# Altium PCB senior_board_rev2.PcbDoc (part 2 of 3)
Units mil, origin at the board's own origin, x right, y up, seen from the top; angles counter-clockwise.
Board outline 5400 x 4100 mil, 4 copper layers (Top Layer, +12V, +1V2, +5V, VOCM, +3V3, -5V, Bottom Layer), stack 30.634 mil thick; 402 components, 226 nets, 1219 pads, 242 vias.
Unrouted connection lines stored in the file: 2.
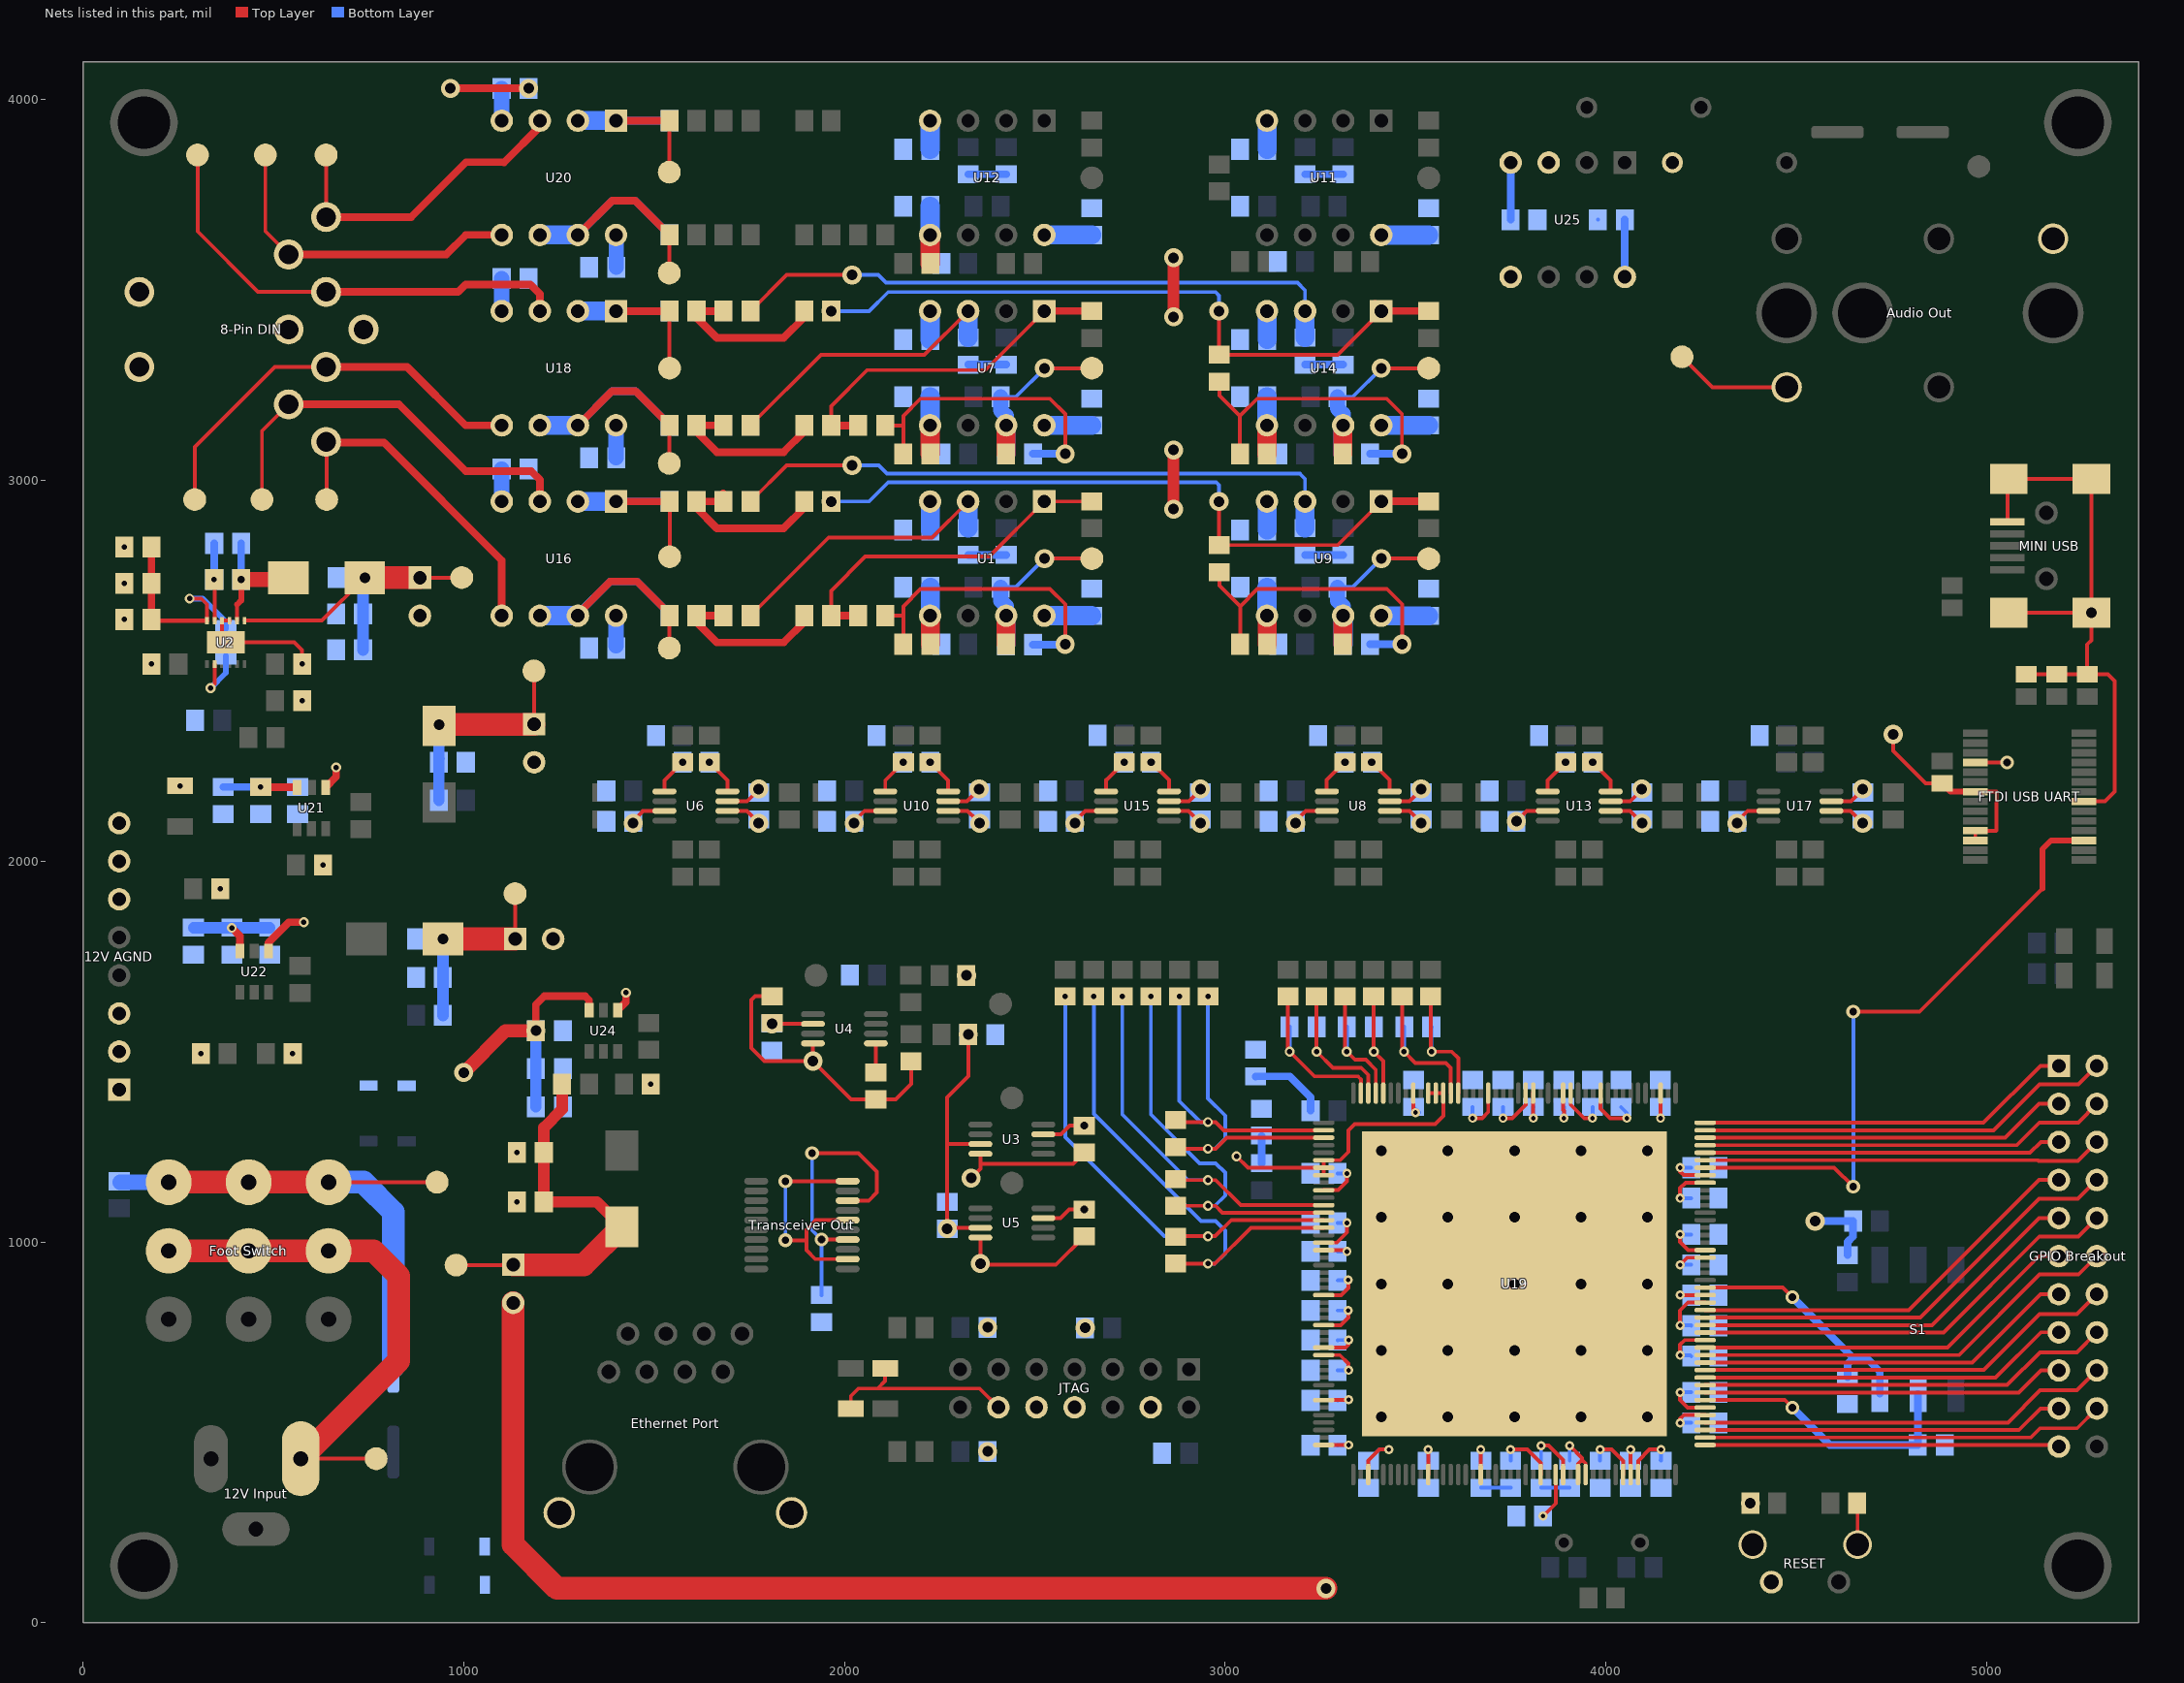
[diagram p4: the nets of this part, all layers, seen from the top]

## Via types
v1: diameter 50, hole 28, Top Layer to Bottom Layer, 120 vias
v2: diameter 26, hole 14, Top Layer to Bottom Layer, 46 vias
v3: diameter 24, hole 12, Top Layer to Bottom Layer, 36 vias
v4: diameter 36, hole 20, Top Layer to Bottom Layer, 27 vias
v5: diameter 40, hole 20, Top Layer to Bottom Layer, 12 vias
v6: diameter 32, hole 18, Top Layer to Bottom Layer, 1 vias

## Nets (pads, with @x,y where several pads share a name; then routed paths per layer and width w, separated by ;. In a path a pad name is that pad's centre, name@x,y a point inside that pad or via, vN(x,y) a via of type N, cw(c..) or ccw(c..) an arc to the next point about the centre after c; other vN are vias at no path point)
+1V2: +1V2J.2 C26.1 C27.1 C28.1 C29.1 C30.1 C31.1 C32.1 C33.1 C34.1 C35.1 U19.16 U19.21 U19.61 U19.76 U19.117 U19.126 U19.137 U19.153 U19.158 U19.169 | length 3956.4
  Top Layer w10: U19.76@3259.02,702.99 3301.57,702.99 3324.22,680.35 v3(3324.22,663) ; U19.61@3259.02,998.27 3293.27,998.27 3320,1025 v3(3320,1050) ; v3(3730,1325) 3754.53,1325 3789.53,1360 U19.21@3789.53,1390.98 ; v3(3830,465) 3849.75,465 3887.95,426.8 U19.117@3887.95,389.02 ; U19.16@3887.95,1390.98 3887.95,1347.05 3890,1345 v3(3890,1325) ; U19.126@4065.12,389.02 v3@4065.12,455 ; v3(4195,525) 4195,535 4205.51,545.51 U19.137@4260.98,545.51 ; v3(4195,860.47) U19.153@4260.98,860.47 ; v3(4195,940) 4213.9,958.9 U19.158@4260.98,958.9 ; v3(4195,1195.12) 4195,1185 4204.57,1175.43 U19.169@4260.98,1175.43
  Top Layer w60: +1V2J.2@1130,840 1130,205 1245,90 v1(3265,90)
  Bottom Layer w10: C34.1@3295.43,663 v3(3324.22,663) ; C35.1@3295.43,1050 v3(3320,1050) ; v3(3730,1325) C30.1@3730,1354.57 ; C33.1@3830,425.43 v3(3830,465) ; v3(3890,1325) C31.1@3890,1354.57 ; C27.1@4065,425.43 4065.12,425.55 4065,425.67 v3(4065,455) ; v3(4195,525) C32.1@4224.57,525 ; v3(4195,860.47) 4224.09,860.47 C29.1@4224.57,860 ; v3(4195,940) C28.1@4224.57,940 ; v3(4195,1195.12) 4224.45,1195.12 C26.1@4224.57,1195
+3V3: "Transceiver Out.4" "Transceiver Out.8" +3V3J.2 C1.1 C2.1 C3.1 C4.1 C5.1 C6.1 C7.1 C8.1 C9.1 C10.1 C11.1 C12.1 C13.1 C14.1 C15.1 C17.1 C18.1 C19.1 C20.1 C21.1 C22.1 C23.1 C24.1 C36.1 C56.1 C62.1 C63.1 C73.1 C76.1 C86.1 C89.1 C98.1 C99.1 C102.1 C103.1 C112.1 C115.1 C125.1 C134.2 R121.2 R122.1 R123.1 R124.1 R129.2 R131.2 R140.2 U6.3 U6.7 U8.3 U8.7 U10.3 U10.7 U13.3 U13.7 U15.3 U15.7 U17.3 U17.7 U19.3 U19.11 U19.15 U19.20 U19.26 U19.36 U19.54 U19.62 U19.68 U19.72 U19.75 U19.82 U19.88 U19.91 U19.99 U19.106 U19.114 U19.116 U19.119 U19.120 U19.125 U19.127 U19.138 U19.147 U19.152 U19.159 U19.168 | length 5280.9
  Top Layer w10: v1@1445,2105 1470.59,2130.59 1470.59,2132.2 U6.3@1527.32,2132.2 ; U6.7@1692.68,2157.8 1744.48,2157.8 v1@1775,2188.31 ; v4(1915,1233.02) 2036.98,1233.02 2085,1185 2085,1129.57 2063.98,1108.54 2008.48,1108.54 ; v4(1940,1006.18) 2008.48,1006.18 ; v1@2025.43,2105 2052.64,2132.2 U10.3@2107.32,2132.2 ; U10.7@2272.68,2157.8 2321.51,2157.8 v1(2353.71,2190) ; v1@2605.43,2105 2632.64,2132.2 U15.3@2687.32,2132.2 ; U15.7@2852.68,2157.8 2904.48,2157.8 v1@2935,2188.31 ; v1@3185,2105 3212.2,2132.2 U8.3@3267.32,2132.2 ; U19.88@3259.02,466.77 v3(3324.22,466.77) ; U19.82@3259.02,584.88 3324.22,584.88 v3(3324.82,585.48) ; U19.75@3259.02,722.68 3316.81,722.68 3324.22,730.08 v3(3324.22,742.36) ; U19.72@3259.02,781.73 3303.55,781.73 3323.43,801.61 v3(3323.43,820) ; U19.68@3259.02,860.47 3304.69,860.47 3323.43,879.21 v3(3323.43,900) ; U19.62@3259.02,978.58 3316.42,978.58 v3(3320,975) ; U19.54@3259.02,1136.06 3297.08,1136.06 3320,1158.99 v3(3320,1180) ; U19.91@3376.14,389.02 3376.14,426.14 3405,455 v3(3430,455) ; U8.7@3432.68,2157.8 3484.48,2157.8 v1@3515,2188.31 ; U19.36@3494.25,1390.98 3494.25,1345.75 v3(3500,1340) ; U19.99@3533.62,389.02 v3(3533.62,455) ; v3(3650,1325) 3675,1325 3691.1,1341.1 U19.26@3691.1,1390.98 ; U19.106@3671.42,389.02 v3(3671.42,455) ; v3(3750,455) 3793.2,455 3828.9,419.3 U19.114@3828.9,389.02 ; v1(3765.43,2105) 3792.64,2132.2 U13.3@3847.32,2132.2 ; v3(3809.21,1325) U19.20@3809.21,1390.98 ; v3(3835,280) 3868.27,313.27 U19.116@3868.27,389.02 ; v3(3905,465) 3937.25,432.75 3937.25,427.75 ; U19.15@3907.64,1390.98 3907.64,1360.72 3943.36,1325 3960,1325 v3@3965,1330 ; U19.119@3927.32,389.02 3927.32,417.81 3937.25,427.75 ; U19.120@3947.01,389.02 3947.01,417.99 3937.25,427.75 ; v3(3985,455) 4015,455 4045.43,424.57 U19.125@4045.43,389.02 ; U19.11@3986.38,1390.98 3986.38,1350 4011.38,1325 v3(4055,1325) ; U13.7@4012.68,2157.8 4064.13,2157.8 v1@4094.65,2188.31 ; U19.127@4084.8,389.02 4084.8,424.8 4115,455 v3(4145,455) ; v3(4143.86,1325) U19.3@4143.86,1390.98 ; v3(4195,605) 4195,584.8 4214.61,565.2 U19.138@4260.98,565.2 ; v3(4195,702.5) 4195,730 4207.36,742.36 U19.147@4260.98,742.36 ; v3(4195,781) 4195,820 4215.79,840.79 U19.152@4260.98,840.79 ; v3(4195,1019.86) 4195,1000 4216.42,978.58 U19.159@4260.98,978.58 ; v3(4195,1115) 4195,1141.28 4209.47,1155.75 U19.168@4260.98,1155.75 ; v1@4345,2104.87 4372.34,2132.2 U17.3@4427.32,2132.2 ; U17.7@4592.68,2157.8 4644.05,2157.8 v1@4674.57,2188.31
  Bottom Layer w10: v4(1915,1233.02) 1915,1031.18 v4(1940,1006.18) C98.1@1940,860.43 ; C18.1@3295.43,466 3296.2,466.77 v3(3324.22,466.77) ; C19.1@3295.43,584 3296.91,585.48 v3(3324.82,585.48) ; C24.1@3295.43,742 3295.8,742.36 v3(3324.22,742.36) ; C134.2@3295.43,820 v3(3323.43,820) ; C21.1@3295.43,899 3296.43,900 v3(3323.43,900) ; C6.1@3295.43,975 v3(3320,975) ; C103.1@3295.43,1180 v3(3320,1180) ; C22.1@3376.14,426.29 3404.85,455 v3(3430,455) ; C13.1@3495,1354.57 3509.57,1340 v3(3500,1340) ; v3(3533.62,455) 3533.62,425.81 C20.1@3534,425.43 ; v3(3650,1325) C2.1@3650,1354.57 ; v3(3671.42,455) 3671.42,426.02 C17.1@3672,425.43 ; C8.1@3750,425.43 v3(3750,455) ; v3(3809.21,1325) 3809.21,1353.78 C1.1@3810,1354.57 ; C15.1@3905,425.43 v3(3905,465) ; v3(3965,1325) C3.1@3965,1354.57 ; C9.1@3985,425.43 v3(3985,455) ; C4.1@4040,1354.57 4055,1339.57 v3(4055,1325) ; C7.1@4143.11,1354.57 4143.86,1353.82 v3(4143.86,1325) ; C36.1@4145,425.43 4143.86,426.57 4145,427.72 v3(4145,455) ; v3(4195,605) C5.1@4224.57,605 ; v3(4195,702.5) 4222.07,702.5 C10.1@4224.57,700 ; v3(4195,781) 4223.57,781 C11.1@4224.57,780 ; v3(4195,1019.86) 4224.43,1019.86 C12.1@4224.57,1020 ; v3(4195,1115) C14.1@4224.57,1115
  Bottom Layer w20: v1(4550,1054.57) 4649.13,1054.57 R121.2@4649.57,1055 4649.57,1014.57 4635,1000 R129.2@4635,965.43
  other v1: 4379.57,314.07 2376,449.75 2632.39,774.29 2376,775.75 1445,2100 2025.43,2100 2605.43,2100 3185,2100 4345,2100 1775,2190 2935,2190 3515,2190 4094.65,2190 4674.57,2190
  other v2: 360.43,1927.84
+5V: +5J.2 C37.1 C38.1 C39.1 C45.1 C58.1 C61.1 C64.1 C65.1 C78.1 C85.1 C91.1 C104.1 C117.1 C152.1 U1.8 U3.7 U4.2 U5.7 U7.8 U9.8 U11.8 U12.8 U14.8 U16.8 U18.8 U20.8 U25.8 | length 1497.7
  Top Layer w10: v1(1809.57,1572.8) U4.2@1917.32,1572.8 ; U4.2@1915.12,1573.57 U4.2@1915.32,1573.36 ; U5.7@2522.68,1062.8 2567.8,1062.8 2590.43,1085.43 v4(2630,1085.43) ; U3.7@2522.68,1282.8 2569.25,1282.8 2591.89,1305.43 v4(2630,1305.43)
  Bottom Layer w10: C61.1@1400,2565.43 C61.1@1400.43,2565 ; C64.1@1400,3060.43 C64.1@1400.43,3060 ; U20.8@1400,3645.28 U20.8@1400.43,3644.84 ; C58.1@2649.13,2645 C58.1@2649.57,2644.57 ; C78.1@2649.57,3145 C78.1@2650,3144.57 ; U9.8@3410,2645 U9.8@3410.43,2644.57 ; U14.8@3410,3145 U14.8@3410.43,3144.57 ; U11.8@3410,3645 U11.8@3410.43,3644.57
  Bottom Layer w20: U25.8@4050,3535 C152.1@4050,3685
  Bottom Layer w40: C61.1@1400,2565.43 U16.8@1400,2645 U16.8@1400,2650 ; C64.1@1400,3060.43 U18.8@1400,3145 ; C85.1@1400.43,3560 U20.8@1400.43,3644.84
  Bottom Layer w50: U1.8@2525,2645 C58.1@2649.13,2645 ; U7.8@2525,3145 C78.1@2649.57,3145 ; U12.8@2525,3645 C104.1@2650,3645 ; U9.8@3410.43,2644.57 C65.1@3535,2644.57 ; U14.8@3410.43,3144.57 C91.1@3535,3144.57 ; U11.8@3410.43,3644.57 C117.1@3535,3644.57
+12V: "8-Pin DIN.10" "12V AGND.1" "12V AGND.2" "12V AGND.3" "Foot Switch.3" C49.1 C111.2 C116.2 C124.1 C124.2 C137.2 C138.2 C139.2 C142.2 C143.2 C146.2 C148.2 C149.2 C164.2 C167.2 C168.2 R127.2 R144.2 R146.2 TP27.TP U2.2 U2.12 U21.3 U22.3 U24.3 | length 3432.3
  Top Layer w10: C146.2@179.57,2635 C146.2@182.48,2632.09 ; v2(280,2690) 310.79,2690 325.79,2675 U2.12@325.79,2632.09 ; v2@335,2455 v2(335.09,2455.09) 345.47,2465.47 U2.2@345.47,2517.91 ; 645,1157 TP27.TP@930,1157
  Top Layer w12: C146.2@182.48,2632.09 U2.12@325.79,2632.09
  Top Layer w20: C146.2@179.57,2635 C168.2@179.57,2730 C167.2@179.57,2825.63 ; v2(390.79,1825) 412.17,1803.62 U22.3@412.17,1764.13 ; v2(466.73,2195) 465.87,2194.13 U21.3@562.6,2194.13 ; v1(1189.57,1555) 1189.47,1555.09 1189.47,1623.61 1211.3,1645.43 1319.13,1645.43 1329.48,1635.09 U24.3@1329.48,1608.82
  Top Layer w35: v1(1000,1445) 1110,1555 v1(1189.57,1555)
  Top Layer w60: 225,1157 435,1157 645,1157
  Bottom Layer w10: C138.2@95,1159.43 C138.2@97.43,1157 ; C111.2@290,1825.43 C111.2@290.43,1825 ; C139.2@490.35,1825 C139.2@490.79,1825.43
  Bottom Layer w15: v2(280,2690) 314.09,2690 375,2629.09 C124.2@375,2610.43 ; v2(335.09,2455.09) 375,2495 C124.1@375,2539.57
  Bottom Layer w20: C116.2@368.43,2195 v2(466.73,2195) C142.2@563.43,2195
  Bottom Layer w30: C111.2@290.43,1825 v2(390.79,1825) C139.2@490.35,1825 ; C148.2@1189.57,1355 C137.2@1189.57,1455 v1(1189.57,1555)
  Bottom Layer w40: C138.2@97.43,1157 225,1157
  Bottom Layer w60: 645.43,1157.43 645,1157 736.68,1157 815,1078.68 C49.1@815,672.76
  other v2: 550.87,1495
-5V: -5VJ.2 C60.1 C71.1 C72.1 C77.1 C84.1 C90.1 C97.1 C110.1 C123.1 C156.1 U1.4 U7.4 U9.4 U11.4 U12.4 U14.4 U16.4 U18.4 U20.4 U25.4 | length 852.1
  Bottom Layer w10: U16.4@1099.57,2950.43 U16.4@1100,2950 ; U18.4@1099.57,3445.43 U18.4@1100,3445 ; U1.4@2225,2945 U1.4@2225.43,2944.57 ; U9.4@3110,2945 U9.4@3110.43,2944.57 ; U14.4@3110,3445 U14.4@3110.43,3444.57 ; U11.4@3110,3945 U11.4@3110.43,3944.57 ; C156.1@3749.57,3685 C156.1@3750,3685.43
  Bottom Layer w20: C156.1@3750,3685.43 U25.4@3750,3835
  Bottom Layer w40: U16.4@1099.57,2950.43 C72.1@1099.57,3030 ; U18.4@1099.57,3445.43 C77.1@1099.57,3530.28 ; U20.4@1099.57,3945 U20.4@1099.57,3945.71 ; C90.1@1099.57,4030 U20.4@1099.57,3945.71 ; U20.4@1100,3945.28 U20.4@1099.57,3945.71
  Bottom Layer w50: C84.1@2225,3370 U7.4@2225,3445 ; C110.1@2225,3870 U12.4@2225,3945 ; C60.1@2225.43,2870 U1.4@2225.43,2944.57 ; C71.1@3110.43,2870 U9.4@3110.43,2944.57 ; C97.1@3110.43,3370 U14.4@3110.43,3444.57 ; C123.1@3110.43,3870 U11.4@3110.43,3944.57
AGND: "8-Pin DIN.1" "8-Pin DIN.2" "8-Pin DIN.4" "12V AGND.6" "12V AGND.7" "12V AGND.8" "Audio Out.S" "FTDI USB UART.21" "FTDI USB UART.25" "FTDI USB UART.26" C37.2 C38.2 C39.2 C40.2 C41.2 C42.2 C43.2 C44.2 C45.2 C46.2 C52.2 C53.2 C56.2 C58.2 C59.2 C60.2 C61.2 C62.2 C63.2 C64.2 C65.2 C69.2 C70.2 C71.2 C72.2 C73.2 C76.2 C77.2 C78.2 C82.2 C83.2 C84.2 C85.2 C86.2 C89.2 C90.2 C91.2 C95.2 C96.2 C97.2 C99.2 C102.2 C104.2 C108.2 C109.2 C110.2 C111.1 C112.2 C115.2 C116.1 C117.2 C121.2 C122.2 C123.2 C125.2 C128.2 C129.2 C130.2 C131.2 C132.2 C133.2 C137.1 C139.1 C142.1 C143.1 C145.1 C146.1 C148.1 C149.1 C152.2 C156.2 C159.1 C160.1 C162.1 C163.1 C164.1 C165.1 C166.1 C167.1 C168.1 C169.1 C170.1 C171.1 C172.1 CU4.2 D1.1 D3.2 D_Power.2 R3.2 R4.1 R9.1 R11.1 R13.1 R15.1 R29.1 R30.1 R32.1 R34.1 R48.1 R50.1 R52.1 R66.1 R68.1 R70.1 R84.1 R86.1 R88.1 R102.1 R104.1 R106.1 R126.1 R136.1 R145.1 U2.9 U2.10 U2.13 U3.4 U4.4 U5.4 U6.6 U8.6 U10.6 U13.6 U15.6 U17.6 U19.32 U19.33 U19.34 U19.50 U19.51 U19.52 U21.1 U22.1 U24.1 U25.3 U25.5 | length 5098.2
  Top Layer w10: U2.9@384.84,2632.09 U2.10@365.16,2632.09 365.16,2584.84 U2.13@375,2575 555,2575 575.53,2554.47 v2(575.53,2518.01) ; U6.6@1692.68,2132.2 1743.81,2132.2 v1@1775,2101.02 ; C39.2@1810,1645.43 1765.43,1645.43 1755,1635 1755,1510 1790,1475 v1(1917.32,1475) ; U4.4@1917.32,1521.61 v1(1917.32,1475) ; C40.2@2175,1474.57 2175,1415 2134.57,1374.57 C43.2@2082.68,1374.57 2017.76,1374.57 v1(1917.32,1475) ; U10.6@2272.68,2132.2 2323.49,2132.2 2345.56,2110.13 v1@2355.43,2110.13 ; v1(2333,1168) 2357.32,1192.32 2357.32,1205 ; U5.4@2357.32,1011.61 v1(2357.32,943.15) 2360.47,940 2555.43,940 C45.2@2630,1014.57 ; U3.4@2357.32,1231.61 2357.32,1205 ; C37.2@2630,1234.57 2600.43,1205 2357.32,1205 ; U15.6@2852.68,2132.2 2903.81,2132.2 v1@2935,2101.02 ; v2(3030,1225) 3059.88,1195.12 U19.51@3259.02,1195.12 ; U19.52@3259.02,1175.43 U19.51@3259.02,1195.12 ; U8.6@3432.68,2132.2 3483.81,2132.2 v1@3515,2101.02 ; U19.34@3533.62,1390.98 U19.33@3553.31,1390.98 U19.32@3572.99,1390.98 3572.99,1331.38 3551.61,1310 3340,1310 3323.43,1293.43 3323.43,1236.39 3301.83,1214.8 U19.50@3259.02,1214.8 U19.51@3259.02,1195.12 ; U13.6@4012.68,2132.2 4063.81,2132.2 v1@4095,2101.02 ; U17.6@4592.68,2132.2 4643.38,2132.2 v1@4674.57,2101.02 ; v1(4755,2333.3) 4755,2290 4840.71,2204.29 CU4.2@4883.35,2204.29 ; 4970.63,2054.68 4970.63,2080.28 5025.28,2080.28 5025.91,2080.91 5025.91,2182.64 4970.63,2182.64
  Top Layer w15: CU4.2@4883.35,2204.29 4905,2182.64 4970.63,2182.64
  Top Layer w20: U22.1@486.97,1764.13 486.97,1786.1 540.87,1840 v2(580,1840) ; U21.1@637.4,2194.13 665,2221.73 v2(665,2246.61) ; v1(965,4030) v1(1170.43,4030) ; U24.1@1404.28,1608.82 1426.09,1630.63 1426.09,1654.91 v2(1426,1655)
  Top Layer w30: v1(2864.57,2925) v1(2864.57,3080) ; v1(2864.57,3430) v1(2864.57,3585)
  Bottom Layer w20: C53.2@2325,2804.57 R11.1@2425,2804.57 ; C83.2@2325,3304.57 R50.1@2425,3304.57 ; C109.2@2325,3804.57 R86.1@2425,3804.57 ; C70.2@3210,2804.57 R32.1@3310,2804.57 ; C96.2@3210,3304.57 R68.1@3310,3304.57 ; C122.2@3210,3804.57 R104.1@3310,3804.57
  other v1: 2320.43,1700 1775,2100 2355.43,2100 2935,2100 3515,2100 4095,2100 4674.57,2100
  other v2: 1139.47,1105.09 1139.47,1235.09 1491.34,1415.09 309.13,1495 630.43,1990 255,2198.15 575.53,2421.67 179.57,2517.91 108.7,2635 108.7,2730 108.7,2825.63
AIN1: C150.1 R21.1 TP14.TP U16.6 U16.7 | length 809.6
  Top Layer w10: TP14.TP@1540,2560 1540.57,2560.57 R21.1@1540.57,2645
  Top Layer w20: U16.7@1300,2650 1385,2735 1455.13,2735 R21.1@1540.57,2649.57
  Bottom Layer w20: U16.7@1295,2645 1385,2735 1455.13,2735 C150.1@1540.57,2649.57
  Bottom Layer w50: U16.6@1200,2645 U16.7@1295,2645
AIN1_Pre: "8-Pin DIN.9" TP7.TP U16.5 | length 885.6
  Top Layer w10: 638.43,3101.57 640,3100 TP7.TP@640,2950
  Top Layer w20: 640,3100 790,3100 1100,2790 U16.5@1100,2645
AIN1N: C51.2 R24.2 U19.59 | length 1326.2
  Top Layer w10: C51.2@2870,943.15 2871.85,945 2873.7,943.15 v2(2955,943.15) 2973.15,943.15 3067.64,1037.64 U19.59@3259.02,1037.64
  Bottom Layer w10: v2(2655,1645) 2655,1336.61 2936.61,1055 2975,1055 3000,1030 3000,970 2973.15,943.15 v2(2955,943.15)
AIN1P: C51.1 R17.2 U19.58 | length 1260.5
  Top Layer w10: C51.1@2870,1014.02 2871.98,1016 2872.98,1015 v2(2955,1015) 2974,1015 3016.32,1057.32 U19.58@3259.02,1057.32
  Bottom Layer w10: v2(2580,1645) 2580,1275 2840,1015 v2(2955,1015)
AIN2: C151.1 R41.1 TP41.TP U16.1 U16.2 | length 533.7
  Top Layer w10: R41.1@1536.02,2945 1541.02,2950 TP41.TP@1541.02,2800
  Top Layer w20: U16.1@1400,2945 R41.1@1536.02,2945
  Bottom Layer w20: U16.1@1400,2945 C151.1@1540.57,2945
  Bottom Layer w50: U16.2@1300,2945 U16.1@1400,2945
AIN2_Pre: "8-Pin DIN.5" TP6.TP U16.3 | length 1098
  Top Layer w10: TP6.TP@470,2930 470,3130 540,3200
  Top Layer w20: 540,3200 830,3200 1005,3025 1177,3025 1200,3002 U16.3@1200,2945
AIN2N: C68.2 R44.2 U19.42 | length 419.3
  Top Layer w10: R44.2@3240.43,1644.13 R44.2@3240,1644.57 3240,1500.43 v2(3240.43,1500) 3283.11,1457.32 3357.68,1457.32 3376.14,1438.86 U19.42@3376.14,1390.98
  Bottom Layer w10: v2(3240.43,1500) C68.2@3240.43,1565
AIN2P: C68.1 R37.2 U19.43 | length 471.2
  Top Layer w10: R37.2@3169.57,1640 R37.2@3165,1644.57 3165,1504.57 v2(3169.57,1500) 3234.57,1435 3348.78,1435 3356.46,1427.32 U19.43@3356.46,1390.98
  Bottom Layer w10: v2(3169.57,1500) C68.1@3169.57,1565
AIN3: C153.1 R59.1 TP9.TP U18.6 U18.7 | length 830.6
  Top Layer w10: TP9.TP@1540,3045 1540,3144.87 R59.1@1540.57,3145.43
  Top Layer w20: U18.7@1300,3145 1390,3235 1451,3235 R59.1@1540.57,3145.43
  Bottom Layer w20: U18.7@1300,3145 1390,3235 1451,3235 C153.1@1540.57,3145.43
  Bottom Layer w50: U18.6@1200,3145 U18.7@1300,3145
AIN3_Pre: "8-Pin DIN.8" TP5.TP U18.5 | length 1115.1
  Top Layer w10: TP5.TP@293.46,2930 293.46,3087.74 504.15,3298.43 638.43,3298.43
  Top Layer w20: 638.43,3298.43 851.57,3298.43 1005,3145 U18.5@1100,3145
AIN3N: C81.2 R62.2 U19.57 | length 1081.2
  Top Layer w10: C81.2@2870,1094.57 2870.43,1095 v2(2955,1095) 2975,1095 2992.99,1077.01 U19.57@3259.02,1077.01
  Bottom Layer w10: v2(2805,1645) 2805,1335 2933.15,1206.85 2975,1206.85 3000,1181.85 3000,1121.85 2973.15,1095 v2(2955,1095)
AIN3P: C81.1 R55.2 U19.56 | length 1024.2
  Top Layer w10: C81.1@2870,1165.43 2872.87,1162.57 v2(2955,1162.57) 2975,1162.57 3040.87,1096.69 U19.56@3259.02,1096.69
  Bottom Layer w10: v2(2730,1645) 2730,1334.57 2902,1162.57 v2(2955,1162.57)
AIN4: C155.1 R77.1 TP8.TP U18.1 U18.2 | length 531.1
  Top Layer w10: TP8.TP@1540.57,3295 R77.1@1540.57,3445
  Top Layer w20: U18.1@1400,3445 R77.1@1540.57,3445
  Bottom Layer w20: U18.1@1400,3445 C155.1@1540.57,3445
  Bottom Layer w50: U18.2@1300,3445 U18.1@1400,3445
AIN4_Pre: "8-Pin DIN.7" TP4.TP U18.3 | length 1245.3
  Top Layer w10: TP4.TP@300.87,3855 300.87,3654.13 459.72,3495.28 638.43,3495.28
  Top Layer w20: 638.43,3495.28 985.28,3495.28 1005,3515 1175,3515 1200,3490 U18.3@1200,3445 U18.3@1184,3445
AIN4N: C94.2 R80.2 U19.40 | length 329.1
  Top Layer w10: R80.2@3390,1644.57 3390,1500.43 v2(3390.43,1500) 3415.51,1474.92 U19.40@3415.51,1390.98
  Bottom Layer w10: v2(3390.43,1500) C94.2@3390.43,1565
AIN4P: C94.1 R73.2 U19.41 | length 368.8
  Top Layer w10: R73.2@3315,1644.57 3315,1504.57 v2(3319.57,1500) 3341.13,1478.43 3369.66,1478.43 3395.83,1452.27 U19.41@3395.83,1390.98
  Bottom Layer w10: v2(3319.57,1500) C94.1@3319.57,1565
AIN5: C157.1 R95.1 TP18.TP U20.6 U20.7 | length 830.2
  Top Layer w10: TP18.TP@1540,3545 1540,3644.28 R95.1@1540.57,3644.84
  Top Layer w20: U20.7@1300,3645.28 1389.72,3735 1450.41,3735 R95.1@1540.57,3644.84
  Bottom Layer w20: U20.7@1300,3645.28 1389.72,3735 1450.41,3735 C157.1@1540.57,3644.84
  Bottom Layer w50: U20.6@1200,3645.28 U20.7@1300,3645.28
AIN5_Pre: "8-Pin DIN.3" TP3.TP U20.5 | length 885.9
  Top Layer w10: TP3.TP@479,3855 479,3654.7 540,3593.7
  Top Layer w20: 540,3593.7 954.13,3593.7 1005.71,3645.28 ; 1005.71,3645 1100,3645.28 U20.5@1087.28,3658
AIN5N: C107.2 R98.2 U19.47 | length 850.8
  Top Layer w10: C107.2@2870,1249.57 2874.57,1245 v2(2955,1245) 2975,1245 3003.86,1273.86 U19.47@3259.02,1273.86
  Bottom Layer w10: v2(2955,1245) 2973.15,1245 3000,1271.85 3000,1331.85 2955,1376.85 v2(2955,1645)
AIN5P: C107.1 R91.2 U19.46 | length 772.9
  Top Layer w10: C107.1@2870,1320.43 2875.43,1315 v2(2955,1315) 2975,1315 2996.46,1293.54 U19.46@3259.02,1293.54
  Bottom Layer w10: v2(2880,1645) 2880,1370 2935,1315 v2(2955,1315)
AIN6: C158.1 R113.1 TP17.TP U20.1 U20.2 | length 510.5
  Top Layer w10: R113.1@1530.67,3945.28 1540,3935.95 TP17.TP@1540,3810
  Top Layer w20: U20.1@1400,3945.28 R113.1@1530.67,3945.28
  Bottom Layer w10: C158.1@1540.29,3945.28 C158.1@1540.57,3945
  Bottom Layer w20: U20.1@1400,3945 C158.1@1540.29,3945.28
  Bottom Layer w50: U20.2@1300,3945 U20.1@1400,3945.28
AIN6_Pre: "8-Pin DIN.6" TP2.TP U20.3 | length 838.5
  Top Layer w10: 638.43,3692.13 TP2.TP@638.43,3855
  Top Layer w20: 638.43,3692.13 862.13,3692.13 1006.29,3836.29 1106.29,3836.29 ; 1106.29,3836 1200,3930 U20.3@1200,3945 U20.3@1200,3945.28
AIN6N: C120.2 R116.2 U19.30 | length 385.2
  Top Layer w10: R116.2@3542.76,1641.81 R116.2@3540,1644.57 3540,1502.76 v2(3542.76,1500) 3595,1500 3612.36,1482.64 U19.30@3612.36,1390.98
  Bottom Layer w10: v2(3542.76,1500) 3541.57,1501.19 C120.2@3541.57,1565 C120.2@3542.76,1563.81
AIN6P: C120.1 R109.2 U19.31 | length 426.7
  Top Layer w10: R109.2@3470,1639.57 R109.2@3465,1644.57 3465,1505 v2(3470,1500) 3500,1470 3580,1470 3592.68,1457.32 U19.31@3592.68,1390.98
  Bottom Layer w10: v2(3470,1500) 3470.7,1500.7 C120.1@3470.7,1565 C120.1@3470,1564.3
CTS: "FTDI USB UART.3" U19.170 | length 1723.9
  Top Layer w10: U19.170@4260.98,1195.12 4599.88,1195.12 v4(4650,1145) ; v4(4650,1605) 4824.23,1605 5147.07,1927.84 ; 5256.06,2054.68 5256.65,2055.28
  Top Layer w15: 5147.07,1927.84 5147.07,2031.84 5169.91,2054.68 5256.06,2054.68
  Bottom Layer w10: v4(4650,1145) v4(4650,1605)
DGND: "Ethernet Port.SGND" "FTDI USB UART.7" "FTDI USB UART.18" "MINI USB.5" "Transceiver Out.2" "Transceiver Out.6" "Transceiver Out.10" C1.2 C2.2 C3.2 C4.2 C5.2 C6.2 C7.2 C8.2 C9.2 C10.2 C11.2 C12.2 C13.2 C14.2 C15.2 C17.2 C18.2 C19.2 C20.2 C21.2 C22.2 C23.2 C24.2 C26.2 C27.2 C28.2 C29.2 C30.2 C31.2 C32.2 C33.2 C34.2 C35.2 C36.2 C57.1 C98.2 C103.2 C134.1 CU1.2 CU2.2 CU3.2 D2.2 D4.1 D_TCK.2 D_TDO.2 JTAG.4 JTAG.8 JTAG.10 JTAG.12 R130.1 R147.1 R148.1 RESET.1 RESET.3 RESET.4 U19.177 | length 3211.8
  Top Layer w10: v4(1845,1159.72) 1845.16,1159.57 2008.32,1159.57 2008.48,1159.72 ; v4@1845.16,1004.57 1900,1004.57 ; 2008.48,955 1923.57,955 1900,978.57 1900,1004.57 ; 2008.48,1057.36 1924.8,1057.36 1900,1032.56 1900,1004.57 ; D_TDO.2@2027,561.85 2017,571.85 2017,595 2037,615 2087,615 ; D_TCK.2@2107,668.15 2107,635 2087,615 ; JTAG.12@2404.57,565.75 2355.31,615 2087,615 ; C57.1@4660.43,314.07 4661.38,313.12 RESET.4@4661.38,205.01 ; 4970.63,2259.41 v4(5053.94,2259.41) ; 5055,2891.5 5055,2999.76 5058.94,3003.7 5275.47,3003.7 v1(5275.47,2653.31) ; 5058.94,2653.31 v1(5275.47,2653.31) ; CU1.2@5104.15,2491.17 CU2.2@5184.43,2491.17 CU3.2@5264.43,2491.17 ; 5256.06,2157.05 5311.38,2157.05 5337.07,2182.73 5337.07,2473.26 5319.15,2491.17 CU3.2@5264.43,2491.17 ; CU3.2@5264.43,2491.17 5264.43,2569.43 5275.47,2580.47 v1(5275.47,2653.31)
  Bottom Layer w10: v4(1845,1004.57) v4(1845,1159.72) ; C17.2@3672,354.57 C8.2@3750,354.57 ; C33.2@3830,354.57 C15.2@3905,354.57
  other v1: 3410,540 3585,540 3760,540 3935,540 4110,540 3410,715 3585,715 3760,715 3935,715 4110,715 3410,890 3585,890 3760,890 3935,890 4110,890 3410,1065 3585,1065 3760,1065 3935,1065 4110,1065 3410,1240 3585,1240 3760,1240 3935,1240 4110,1240
GPIO68: "GPIO Breakout.21" U19.133 | length 930.7
  Top Layer w10: U19.133@4260.98,466.77 5185.93,466.77 5190,462.7
GPIO69: "GPIO Breakout.20" U19.134 | length 1060.6
  Top Layer w10: U19.134@4260.98,486.46 5116.46,486.46 5140.7,510.7 5238,510.7 5290,562.7
GPIO70: "GPIO Breakout.19" U19.135 | length 952.4
  Top Layer w10: U19.135@4260.98,506.14 5085.31,506.14 5141.87,562.7 5190,562.7
GPIO71: "GPIO Breakout.18" U19.136 | length 1085.7
  Top Layer w10: U19.136@4260.98,525.83 5056.14,525.83 5140.51,610.2 5237.5,610.2 5290,662.7
GPIO72: R147.2 S1.5 U19.139 | length 741.9
  Top Layer w10: U19.139@4260.98,584.88 4470.31,584.88 v4(4490,565.2)
  Bottom Layer w10: S1.5@4819.57,600.59 S1.5@4820,601.02
  Bottom Layer w20: v4(4490,565.2) 4588.43,466.77 R147.2@4819.57,466.77 S1.5@4819.57,600.59
GPIO73: "GPIO Breakout.17" U19.140 | length 953.1
  Top Layer w10: U19.140@4260.98,604.57 5084.57,604.57 5142.7,662.7 5190,662.7
GPIO74: "GPIO Breakout.16" U19.141 | length 1086.4
  Top Layer w10: U19.141@4260.98,624.25 5054.25,624.25 5140.2,710.2 5237.5,710.2 5290,762.7
GPIO75: "GPIO Breakout.15" U19.142 | length 978.2
  Top Layer w10: U19.142@4260.98,643.94 5023.94,643.94 5142.7,762.7 5190,762.7
GPIO76: "GPIO Breakout.14" U19.143 | length 1111.5
  Top Layer w10: U19.143@4260.98,663.62 4993.19,663.62 5139.77,810.2 5237.5,810.2 5290,862.7
GPIO77: "GPIO Breakout.13" U19.144 | length 1003.3
  Top Layer w10: U19.144@4260.98,683.31 4962.87,683.31 5142.26,862.7 5190,862.7
GPIO78: "GPIO Breakout.12" U19.145 | length 1139.6
  Top Layer w10: U19.145@4260.98,702.99 4927.99,702.99 5139.7,914.7 5242,914.7 5290,962.7 ; 5283.07,962.7 5286.07,962.7
GPIO79: "GPIO Breakout.11" U19.146 | length 1028.4
  Top Layer w10: U19.146@4260.98,722.68 4897.99,722.68 5138.01,962.7 5190,962.7
GPIO80: "GPIO Breakout.10" U19.148 | length 1153.5
  Top Layer w10: U19.148@4260.98,762.05 4887.05,762.05 5138.7,1013.7 5241,1013.7 5290,1062.7
GPIO81: "GPIO Breakout.9" U19.149 | length 1045.4
  Top Layer w10: U19.149@4260.98,781.73 4856.73,781.73 5137.7,1062.7 5190,1062.7
GPIO82: "GPIO Breakout.8" U19.150 | length 1178.7
  Top Layer w10: U19.150@4260.98,801.42 4826.42,801.42 5138.2,1113.2 5240.51,1113.2 5290,1162.7
GPIO83: "GPIO Breakout.7" U19.151 | length 1070.5
  Top Layer w10: U19.151@4260.98,821.1 4796.1,821.1 5137.7,1162.7 5190,1162.7
GPIO84: R130.2 S1.6 U19.154 | length 665
  Top Layer w10: U19.154@4260.98,880.16 4464.84,880.16 v4(4490,855)
  Bottom Layer w20: v4(4490,855) 4650,695 ; R130.2@4635,645.43 4635,680 4650,695 ; S1.6@4720,601.02 4720,660 4685,695 4650,695
GPIO89: "GPIO Breakout.6" U19.171 | length 1050.6
  Top Layer w10: U19.171@4260.98,1214.8 5135.2,1214.8 5137.3,1212.7 5240,1212.7 5290,1262.7
GPIO90: "GPIO Breakout.5" U19.172 | length 940.7
  Top Layer w10: U19.172@4260.98,1234.49 5114.49,1234.49 5142.7,1262.7 5190,1262.7
GPIO91: "GPIO Breakout.4" U19.173 | length 1074
  Top Layer w10: U19.173@4260.98,1254.17 5079.17,1254.17 5138.7,1313.7 5241,1313.7 5290,1362.7
GPIO92: "GPIO Breakout.3" U19.174 | length 965.8
  Top Layer w10: U19.174@4260.98,1273.86 5048.86,1273.86 5137.7,1362.7 5190,1362.7
GPIO93: "GPIO Breakout.2" U19.175 | length 1099.1
  Top Layer w10: U19.175@4260.98,1293.54 5018.86,1293.54 5139.01,1413.7 5241,1413.7 5290,1462.7
GPIO94: "GPIO Breakout.1" U19.176 | length 990.9
  Top Layer w10: U19.176@4260.98,1313.23 4992.24,1313.23 5141.71,1462.7 5190,1462.7
"Net12V Input_1": "12V Input.1" "Foot Switch.1" TP26.TP | length 1416.2
  Top Layer w10: 572.22,430.79 TP26.TP@770,430.79
  Top Layer w60: 225,977 435,977 645,977 763,977 829.57,910.43 829.57,688.13 572.22,430.79
Net+1V2J_1: +1V2J.1 C165.2 C166.2 L6.2 R8.2 TP34.TP | length 1038.2
  Top Layer w10: TP34.TP@980,939.21 1129.21,939.21 +1V2J.1@1130,940
  Top Layer w30: R8.2@1258.57,1415 1258.57,1348.57 1210.43,1300.43 C165.2@1210.43,1235 C166.2@1210.43,1105 1349.61,1105 L6.2@1415,1039.61
  Top Layer w60: +1V2J.1@1130,940 1315.39,940 L6.2@1415,1039.61
Net+3V3J_1: +3V3J.1 C159.2 C160.2 L7.2 R125.2 TP28.TP | length 509.6
  Top Layer w10: +3V3J.1@1135,1796 TP28.TP@1135,1915
  Top Layer w60: v1(945.39,1796) +3V3J.1@1135,1796
  Bottom Layer w10: v1(945.39,1796) v1(945.39,1796)
  Bottom Layer w30: R125.2@945.43,1595 C159.2@945.43,1695 v1(945.39,1796)
Net+5J_1: +5J.1 C162.2 C163.2 L1.2 R128.2 TP1.TP | length 592.7
  Top Layer w10: +5J.1@1184.33,2359.33 +5J.1@1185,2360 1185,2499.33 TP1.TP@1184.33,2500 ; +5J.1@1203.97,2359.33 +5J.1@1205,2358.3
  Top Layer w60: v1(935,2359.33) +5J.1@1184.33,2359.33
  Bottom Layer w10: C162.2@944.57,2269.04 945.43,2269.91 C162.2@945,2270.34
  Bottom Layer w30: R128.2@934.57,2160 C162.2@934.57,2259.91 ; C162.2@935,2260.34 v1(935,2359.33)
Net-5VJ_1: -5VJ.1 C169.2 C170.2 C171.2 L4.2 TP33.TP U2.7 | length 809.4
  Top Layer w10: U2.7@424.21,2632.09 627.09,2632.09 v1(740,2745) ; -5VJ.1@885,2745 TP33.TP@995,2745
  Top Layer w60: v1(740,2745) -5VJ.1@885,2745
  Bottom Layer w10: C171.2@735.43,2740.43 v1(740,2745)
  Bottom Layer w30: C169.2@735.43,2555 C170.2@735.43,2650 C171.2@735.43,2740.43
"NetAudio Out_TB": "Audio Out.TB" TP40.TP | length 308.1
  Top Layer w10: TP40.TP@4200,3325 4280,3245 4475,3245
NetC25_1: C25.1 C47.1 C48.1 L4.1 U2.8 | length 333.3
  Top Layer w10: U2.8@404.53,2632.09 404.53,2674.09 ; L4.1@534.31,2740.09 L4.1@539.21,2745
  Top Layer w15: 404.53,2674.09 415.43,2685 C25.1@415.43,2740
  Top Layer w40: v6(415.34,2740.09) L4.1@534.31,2740.09
  Bottom Layer w20: C47.1@415.43,2740 C48.1@415.43,2835
NetC25_2: C25.2 C47.2 C48.2 U2.11 | length 203.3
  Top Layer w10: C25.2@344.57,2740 345.47,2739.09 U2.11@345.47,2632.09
  Bottom Layer w20: C47.2@344.57,2740 C48.2@344.57,2835
  other v2: 344.47,2740.09
NetC41_1: C41.1 C42.1 R5.1 U3.3 U5.3 | length 710
  Top Layer w10: R5.1@2325,1544.57 v1(2325.43,1545) 2325.43,1435.43 2270,1380 2270,1255 ; U5.3@2357.32,1037.2 2272.2,1037.2 v1(2270,1035) 2270,1255 ; U3.3@2357.32,1257.2 2272.2,1257.2 2270,1255
NetC43_1: C43.1 U4.5 | length 76.2
  Top Layer w10: C43.1@2082.68,1445.43 U4.5@2082.68,1521.61
NetC44_1: C44.1 R6.2 | length 203.4
  Bottom Layer w10: R6.2@3224.13,1344.57 R6.2@3224.57,1345
  Bottom Layer w20: C44.1@3080,1434.57 3080.43,1435 3170,1435 3224.57,1380.43 R6.2@3224.57,1345
NetC46_1: C46.1 R7.2 | length 72.6
  Bottom Layer w10: C46.1@3095,1279.13 C46.1@3095.87,1278.27
  Bottom Layer w20: R7.2@3095.87,1206.85 C46.1@3095.87,1278.27
NetC50_1: C50.1 R16.2 U6.1 | length 96.4
  Top Layer w10: U6.1@1527.32,2183.39 1527.32,2212.32 v5(1575,2260)
NetC50_2: C50.2 R26.2 U6.8 | length 96.4
  Top Layer w10: v5(1645,2260) 1692.68,2212.32 U6.8@1692.68,2183.39
NetC52_1: C52.1 R20.2 U1.5 | length 150.4
  Top Layer w10: U1.5@2225,2645 U1.5@2225.43,2644.57
  Top Layer w50: R20.2@2225.43,2570 U1.5@2225.43,2644.57
  Bottom Layer w10: U1.5@2225,2645 U1.5@2225.43,2645.43
  Bottom Layer w50: U1.5@2225.43,2645.43 C52.1@2225.43,2720
NetC53_1: C53.1 R22.2 U1.3 | length 765.4
  Top Layer w10: R22.2@1753.43,2645 1958.43,2850 2230,2850 U1.3@2325,2945
  Bottom Layer w50: C53.1@2325,2875.43 U1.3@2325,2945
NetC54_1: C54.1 R21.2 R22.1 | length 433.6
  Top Layer w20: R21.2@1611.43,2644.56 1611.43,2628.13 1665,2574.56 1840.32,2574.56 1894.57,2628.8 C54.1@1894.57,2645 ; R21.2@1611.43,2650 1616.43,2645 R22.1@1682.57,2645
NetC54_2: C54.2 R12.2 R19.1 U1.1 | length 918.5
  Top Layer w10: C54.2@1965.43,2645 1965.43,2710.43 2055,2800 2380,2800 U1.1@2525,2945 2649.57,2945 R12.2@2650,2945.43
  Top Layer w20: C54.2@1965.43,2645 R19.1@2036.57,2645
NetC55_1: C55.1 R19.2 R20.1 | length 797.6
  Top Layer w10: R19.2@2107.43,2645 2154.57,2645 ; R20.1@2154.57,2570 2154.57,2645 ; v1(2580,2570) 2580,2675 2540,2715 2200,2715 2154.57,2669.57 2154.57,2645
  Bottom Layer w10: v1@2578.84,2568.84 v1(2580,2570)
  Bottom Layer w20: C55.1@2495.43,2568.84 v1@2578.84,2568.84
NetC55_2: C55.2 R14.2 R25.1 TP35.TP U1.7 | length 503.2
  Top Layer w10: U1.7@2424.57,2644.57 U1.7@2425,2645 ; v1(2525.68,2795) TP35.TP@2650,2795
  Top Layer w50: R25.1@2424.57,2570 U1.7@2424.57,2644.57
  Bottom Layer w10: R14.2@2410.43,2720 2450.68,2720 v1(2525.68,2795) ; U1.7@2424.57,2644.57 U1.7@2425,2645
  Bottom Layer w40: R14.2@2410.43,2720 2410.43,2684.57 2425,2670 U1.7@2425,2645
  Bottom Layer w50: C55.2@2424.57,2568.84 U1.7@2424.57,2644.57
NetC67_1: C67.1 R36.2 U8.1 | length 96.4
  Top Layer w10: U8.1@3266.89,2184.39 3266.89,2213.32 R36.2@3314.57,2261
  other v5: 3315,2260
NetC67_2: C67.2 R46.2 U8.8 | length 96.4
  Top Layer w10: R46.2@3384.57,2261 3432.24,2213.32 U8.8@3432.24,2184.39
  other v5: 3385,2260
NetC69_1: C69.1 R40.2 U9.5 | length 150.5
  Top Layer w10: U9.5@3110,2645 U9.5@3110.43,2644.57
  Top Layer w50: R40.2@3110.43,2570 U9.5@3110.43,2644.57
  Bottom Layer w10: C69.1@3110,2719.13 C69.1@3110.87,2720
  Bottom Layer w50: U9.5@3110,2645 C69.1@3110,2719.13
NetC70_1: C70.1 R42.2 U9.3 | length 1639.4
  Top Layer w10: R42.2@1753.43,2945 1848.43,3040 v1(2020,3040)
  Bottom Layer w10: v1(2020,3040) 2090,3040 2112,3018 3196,3018 3210,3004 U9.3@3210,2945
  Bottom Layer w50: C70.1@3210,2875.43 U9.3@3210,2945
NetC74_1: C74.1 R41.2 R42.1 | length 445.6
  Top Layer w20: R41.2@1611.43,2944.56 1611.43,2928.13 1665,2874.56 1840.32,2874.56 1894.57,2928.8 C74.1@1894.57,2945 ; R41.2@1611.43,2945 R42.1@1681.02,2945 ; R42.1@1681.02,2950 R42.1@1681.02,2965.59
NetC74_2: C74.2 R33.2 R39.1 U9.1 | length 1796.8
  Top Layer w10: R39.1@2984,2831.43 v1(2984,2945) ; R39.1@2985,2830.43 3295.43,2830.43 U9.1@3410,2945 U9.1@3410.43,2945.43
  Top Layer w20: U9.1@3410.43,2945.43 R33.2@3535,2945.43
  Bottom Layer w10: v1(1965,2945) 2065,2945 2115,2995 2977,2995 2984,2988 v1(2984,2945)
NetC75_1: C75.1 R39.2 R40.1 | length 862.1
  Top Layer w10: R39.2@2985,2759.57 2985,2724.13 3039.57,2669.57 ; R40.1@3039.57,2570 3039.57,2669.57 ; v1@3465,2570 3465,2675 3425,2715 3085,2715 3039.57,2669.57
  Bottom Layer w20: C75.1@3380.43,2570 v1(3464.57,2570)
NetC75_2: C75.2 R35.2 R45.1 TP12.TP U9.7 | length 502
  Top Layer w10: U9.7@3309.57,2644.57 U9.7@3310,2645 ; v1(3410.43,2795) TP12.TP@3535,2795
  Top Layer w50: R45.1@3309.57,2570 U9.7@3309.57,2644.57
  Bottom Layer w10: R35.2@3295.43,2720 3335.43,2720 v1(3410.43,2795) ; C75.2@3309.57,2570 C75.2@3310,2570.43
  Bottom Layer w40: R35.2@3295.43,2720 3295.43,2684.57 3310,2670 U9.7@3310,2645
  Bottom Layer w50: C75.2@3310,2570.43 U9.7@3310,2645
NetC80_1: C80.1 R54.2 U10.1 | length 96.4
  Top Layer w10: U10.1@2107.32,2183.39 2107.32,2212.32 R54.2@2155,2260
  other v5: 2154.57,2260
NetC80_2: C80.2 R64.2 U10.8 | length 96.4
  Top Layer w10: R64.2@2225,2260 2272.68,2212.32 U10.8@2272.68,2183.39
  other v5: 2225.43,2260
NetC82_1: C82.1 R58.2 U7.5 | length 150.4
  Top Layer w10: R58.2@2225,3070.43 R58.2@2225.43,3070
  Top Layer w50: R58.2@2225,3070.43 U7.5@2225,3145
  Bottom Layer w10: C82.1@2225,3219.57 C82.1@2225.43,3220
  Bottom Layer w50: U7.5@2225,3145 C82.1@2225,3219.57
NetC83_1: C83.1 R60.2 U7.3 | length 765.4
  Top Layer w10: R60.2@1753.43,3145 1938.43,3330 2210,3330 U7.3@2325,3445
  Bottom Layer w50: C83.1@2325,3375.43 U7.3@2325,3445
NetC87_1: C87.1 R59.2 R60.1 | length 438.2
  Top Layer w20: R59.2@1611.43,3144.56 1611.43,3128.13 1665,3074.56 1840.32,3074.56 1894.57,3128.8 C87.1@1894.57,3145 ; R59.2@1611.46,3145 1680.59,3145.43 R60.1@1680.59,3154.13
NetC87_2: C87.2 R51.2 R57.1 U7.1 | length 930.3
  Top Layer w10: C87.2@1965.87,3144.57 C87.2@1965.43,3145 1965.43,3195.43 2060,3290 2370,3290 U7.1@2525,3445 2525.43,3445.43 U7.1@2526.38,3445.43 ; R57.1@2046.13,3145 R57.1@2046.57,3144.57
  Top Layer w20: C87.2@1965.87,3144.57 R57.1@2036.57,3144.57 ; U7.1@2512.36,3459.45 2526.38,3445.43 R51.2@2650,3445.43
NetC88_1: C88.1 R57.2 R58.1 | length 797.3
  Top Layer w10: R57.2@2107.43,3144.57 2154.13,3144.57 2154.57,3145 ; R58.1@2154.57,3070 2154.57,3145 ; v1(2580,3070) 2580,3175 2540,3215 2200,3215 2154.57,3169.57 2154.57,3145
  Bottom Layer w20: C88.1@2495.43,3070 v1(2580,3070)
NetC88_2: C88.2 R53.2 R63.1 TP21.TP U7.7 | length 502
  Top Layer w10: U7.7@2424.57,3144.57 U7.7@2425,3145 ; v1(2525.68,3295) TP21.TP@2650,3295
  Top Layer w50: R63.1@2424.57,3070 U7.7@2424.57,3144.57
  Bottom Layer w10: R53.2@2410.43,3220 2450.68,3220 v1(2525.68,3295) ; U7.7@2424.57,3144.57 U7.7@2425,3145
  Bottom Layer w40: R53.2@2410.43,3220 2410.43,3184.57 2425,3170 U7.7@2425,3145
  Bottom Layer w50: C88.2@2424.57,3070 U7.7@2424.57,3144.57
NetC93_1: C93.1 R72.2 U13.1 | length 96.4
  Top Layer w10: U13.1@3847.32,2183.39 3847.32,2212.32 R72.2@3895,2260
  other v5: 3894.57,2260
NetC93_2: C93.2 R82.2 U13.8 | length 96.4
  Top Layer w10: R82.2@3965,2260 4012.68,2212.32 U13.8@4012.68,2183.39
  other v5: 3965.43,2260
NetC95_1: C95.1 R76.2 U14.5 | length 150.2
  Top Layer w50: R76.2@3110,3070 U14.5@3110,3145
  Bottom Layer w10: C95.1@3110,3219.57 C95.1@3110.43,3220
  Bottom Layer w50: U14.5@3110,3145 C95.1@3110,3219.57
NetC96_1: C96.1 R78.2 U14.3 | length 1637.1
  Top Layer w10: R78.2@1753.43,3445 1848.43,3540 v1(2020,3540)
  Bottom Layer w10: v1(2020,3540) 2089,3540 2109,3520 3190,3520 3210,3500 U14.3@3210,3445
  Bottom Layer w50: C96.1@3210,3375.43 U14.3@3210,3445
NetC100_1: C100.1 R77.2 R78.1 | length 437.9
  Top Layer w20: R77.2@1611.43,3444.56 1611.43,3428.13 1665,3374.56 1840.32,3374.56 1894.57,3428.8 C100.1@1894.57,3445 ; R77.2@1611.43,3445 1680.63,3445 R78.1@1680.63,3453.26
NetC100_2: C100.2 R69.2 R75.1 U14.1 | length 1821.3
  Top Layer w10: R75.1@2984,3331.43 v1(2984,3445) ; R75.1@2985,3330.43 3295.43,3330.43 U14.1@3410,3445 3410.43,3445.43 U14.1@3412.28,3445.43
  Top Layer w20: U14.1@3394.13,3463.58 3412.28,3445.43 R69.2@3535,3445.43
  Bottom Layer w10: v1(1965,3445) 2065,3445 2115,3495 2975,3495 2984,3486 v1(2984,3445)
NetC101_1: C101.1 R75.2 R76.1 | length 861.9
  Top Layer w10: R75.2@2985,3259.57 2985,3223.7 3039.13,3169.57 ; R76.1@3039.13,3070 3039.13,3169.57 ; v1(3464.57,3070) 3464.57,3175 3424.57,3215 3084.57,3215 3039.13,3169.57
  Bottom Layer w20: C101.1@3380.43,3070 v1(3464.57,3070)
NetC101_2: C101.2 R71.2 R81.1 TP36.TP U14.7 | length 502
  Top Layer w10: U14.7@3309.57,3144.57 U14.7@3310,3145 ; v1(3410,3295) TP36.TP@3535,3295
  Top Layer w50: R81.1@3309.57,3070 U14.7@3309.57,3144.57
  Bottom Layer w10: R71.2@3295.43,3220 3335,3220 v1(3410,3295) ; U14.7@3309.57,3144.57 U14.7@3310,3145
  Bottom Layer w40: R71.2@3295.43,3220 3295.43,3189.13 3310,3174.57 U14.7@3310,3145
  Bottom Layer w50: C101.2@3309.57,3070 U14.7@3309.57,3144.57
NetC106_1: C106.1 R90.2 U15.1 | length 96.2
  Top Layer w10: U15.1@2686.89,2184.39 2686.89,2213.32 2688.76,2213.32 R90.2@2735,2259.57
  other v5: 2735,2260
NetC106_2: C106.2 R100.2 U15.8 | length 96.4
  Top Layer w10: R100.2@2804.57,2261 2852.24,2213.32 U15.8@2852.24,2184.39
  other v5: 2805.43,2260
NetC108_1: C108.1 R94.2 U12.5 | length 150
  Top Layer w50: R94.2@2225,3570 U12.5@2225,3645
  Bottom Layer w50: U12.5@2225,3645 C108.1@2225,3720